# KiCad board leafony-ap03-stm32.kicad_pcb (continued)
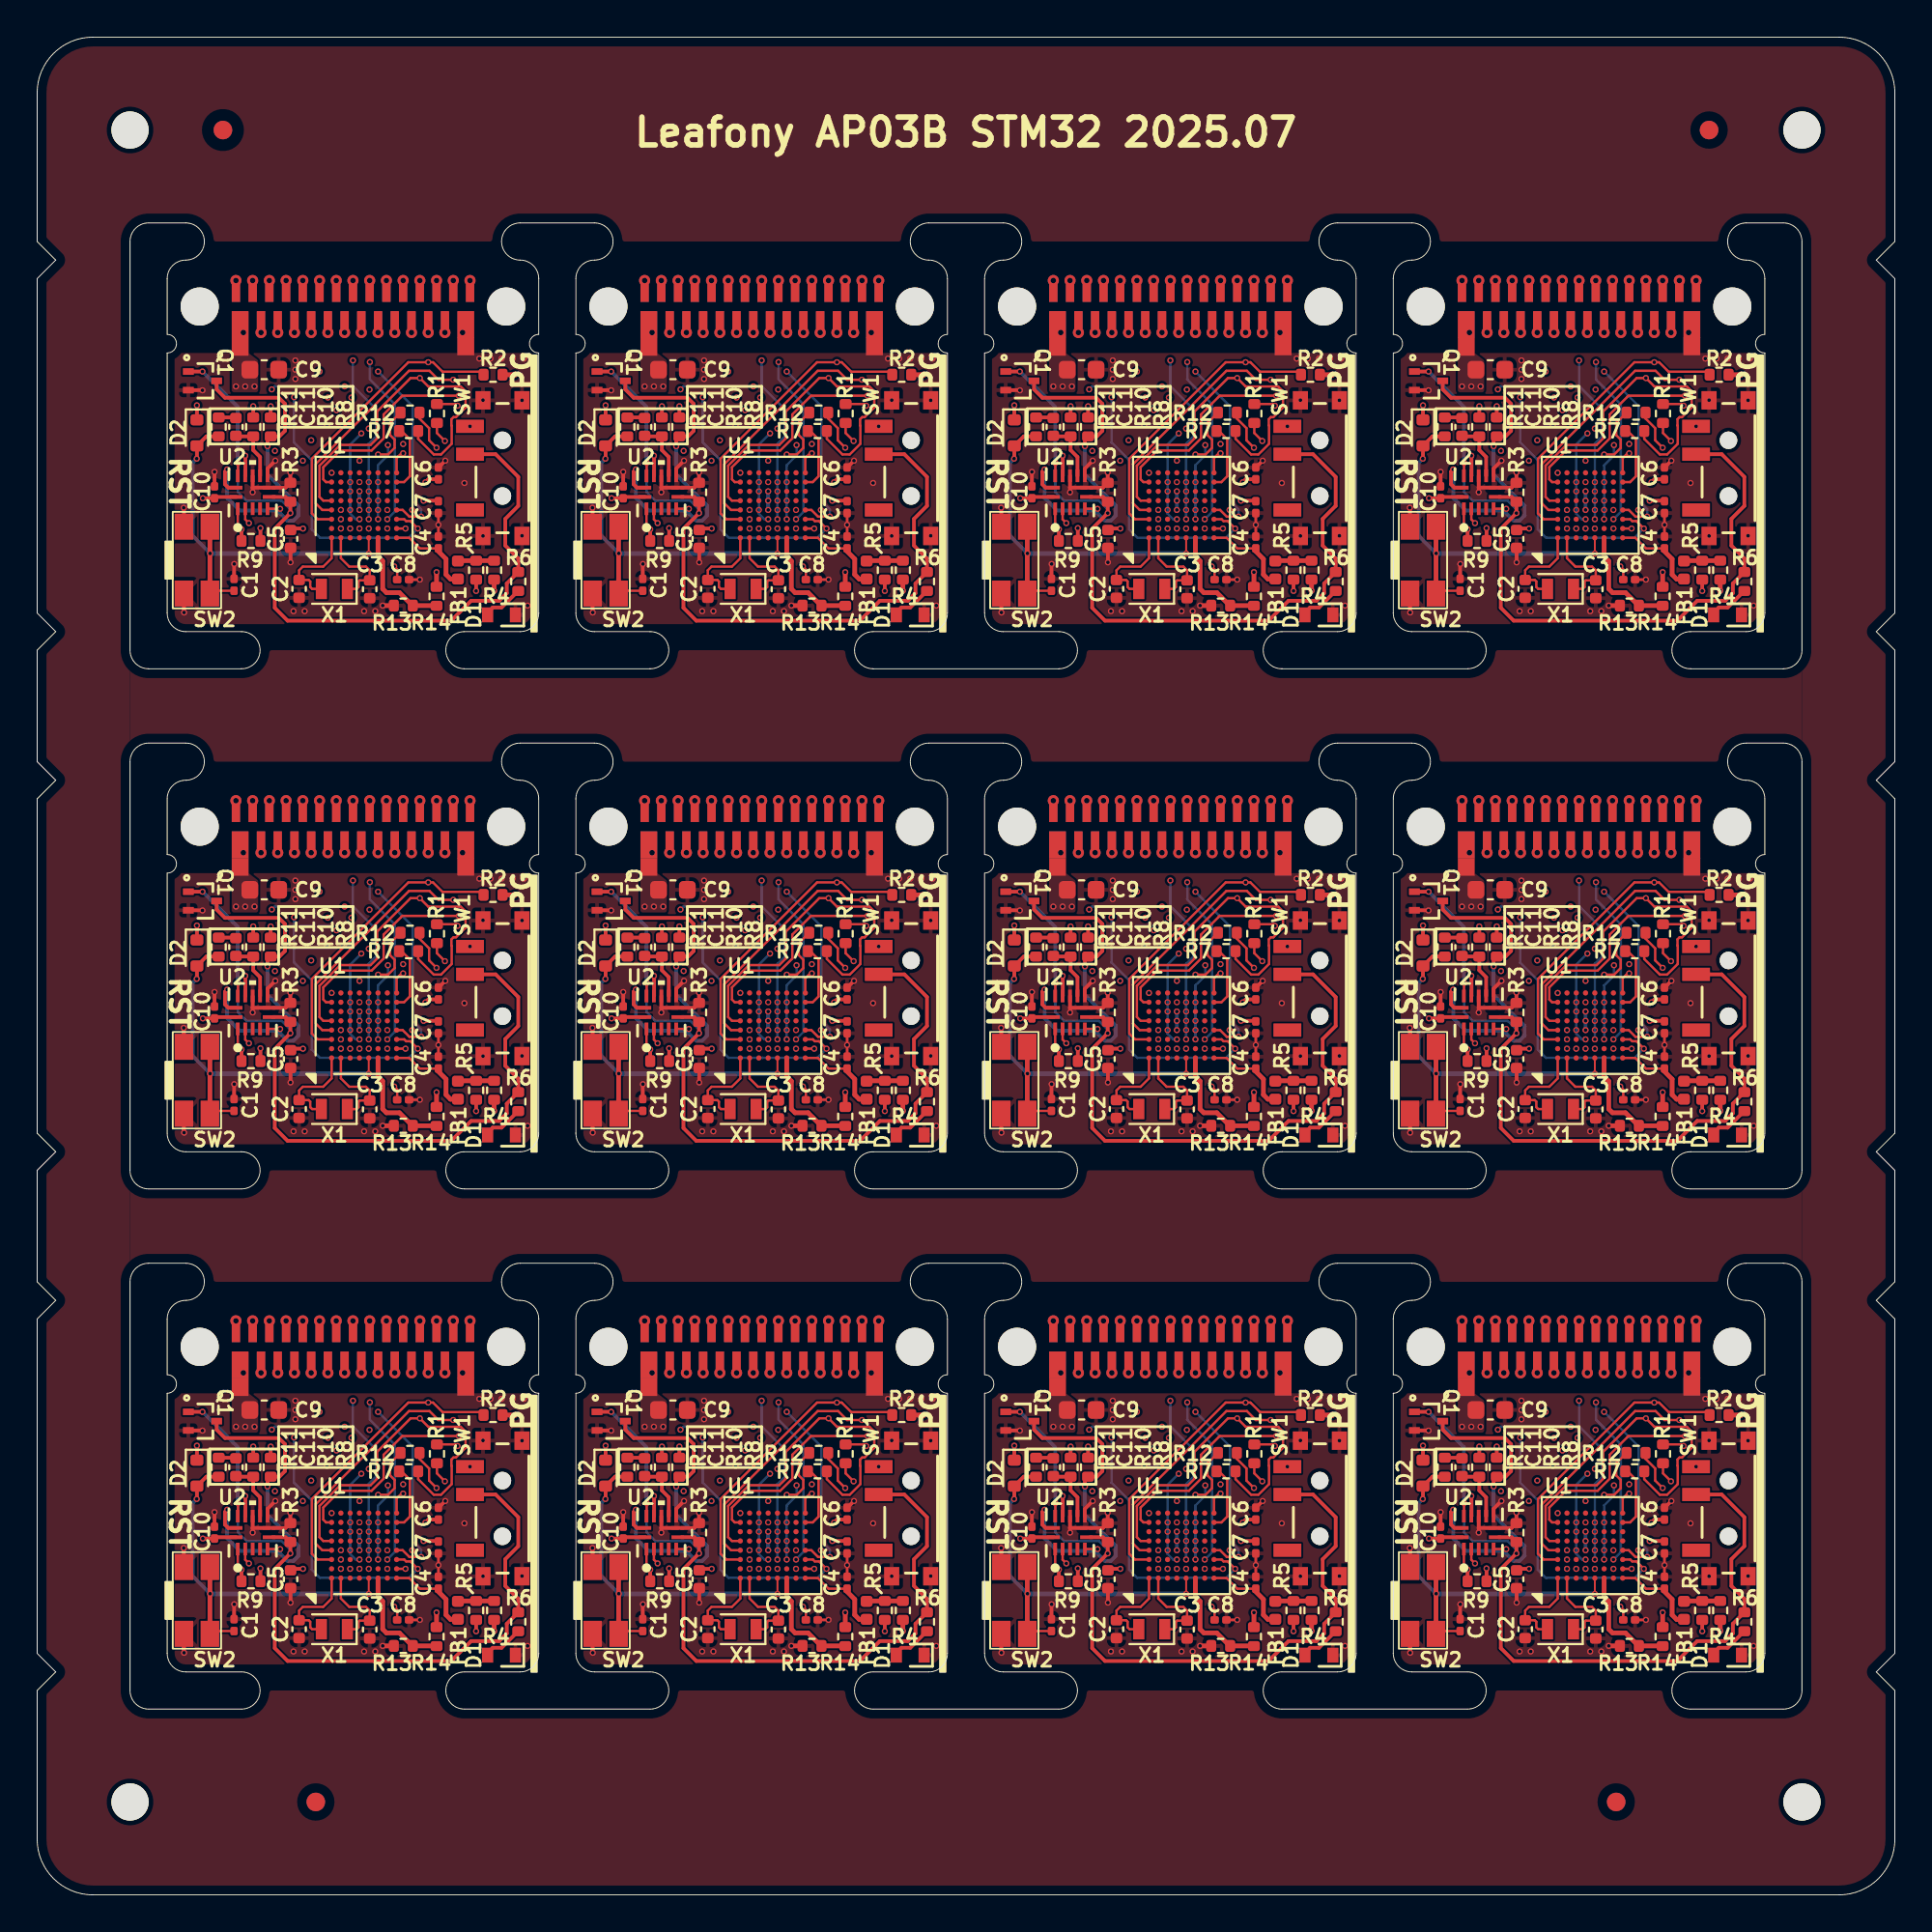
[diagram p0: board, top side]
## Routing (per net, layer and track width the routed paths; a pad name or vN(x,y) marks a point on that pad's centre or on a via; arc(x,y) is an arc through that point) (continued)
  In1.Cu w0.127: v1(89.3,86.9) 89.31,86.89 89.31,81.31 v2(88.7,80.7) ; v1(45.3,86.9) 45.31,86.89 45.31,81.31 v2(44.7,80.7) ; v2(22.7,52.7) 23.31,53.31 23.31,58.89 v1(23.3,58.9) ; v1(23.3,86.9) 23.31,86.89 23.31,81.31 v2(22.7,80.7) ; v1(89.3,58.9) 89.31,58.89 89.31,53.31 v2(88.7,52.7) ; v2(66.7,24.7) 67.31,25.31 67.31,30.89 v1(67.3,30.9) ; v2(66.7,80.7) 67.31,81.31 67.31,86.89 v1(67.3,86.9) ; v1(67.3,58.9) 67.31,58.89 67.31,53.31 v2(66.7,52.7) ; v1(89.3,30.9) 89.31,30.89 89.31,25.31 v2(88.7,24.7) ; v1(45.3,30.9) 45.31,30.89 45.31,25.31 v2(44.7,24.7) ; v2(44.7,52.7) 45.31,53.31 45.31,58.89 v1(45.3,58.9) ; v2(22.7,24.7) 23.31,25.31 23.31,30.89 v1(23.3,30.9)
SWDIO: length 165
  In1.Cu w0.127: v2(15.85,76.55) 14.44,76.55 13.26,77.73 v2(12.8,77.73) ; v2(34.8,21.73) 35.26,21.73 36.44,20.55 v2(37.85,20.55) ; v2(37.85,76.55) 36.44,76.55 35.26,77.73 v2(34.8,77.73) ; v2(34.8,49.73) 35.26,49.73 36.44,48.55 v2(37.85,48.55) ; v2(15.85,48.55) 14.44,48.55 13.26,49.73 v2(12.8,49.73) ; v2(78.8,21.73) 79.26,21.73 80.44,20.55 v2(81.85,20.55) ; v2(15.85,20.55) 14.44,20.55 13.26,21.73 v2(12.8,21.73) ; v2(56.8,77.73) 57.26,77.73 58.44,76.55 v2(59.85,76.55) ; v2(56.8,21.73) 57.26,21.73 58.44,20.55 v2(59.85,20.55) ; v2(56.8,49.73) 57.26,49.73 58.44,48.55 v2(59.85,48.55) ; v2(78.8,49.73) 79.26,49.73 80.44,48.55 v2(81.85,48.55) ; v2(81.85,76.55) 80.44,76.55 79.26,77.73 v2(78.8,77.73)
  In2.Cu w0.127: v1(32.7,30.9) 32.69,30.89 32.69,27.5 34.99,25.19 34.99,21.92 v2(34.8,21.73) ; v2(12.8,21.73) 12.99,21.92 12.99,25.19 10.69,27.5 10.69,30.89 v1(10.7,30.9) ; v2(56.8,49.73) 56.99,49.92 56.99,53.19 54.69,55.5 54.69,58.89 v1(54.7,58.9) ; v1(32.7,58.9) 32.69,58.89 32.69,55.5 34.99,53.19 34.99,49.92 v2(34.8,49.73) ; v1(10.7,86.9) 10.69,86.89 10.69,83.5 12.99,81.19 12.99,77.92 v2(12.8,77.73) ; v1(54.7,30.9) 54.69,30.89 54.69,27.5 56.99,25.19 56.99,21.92 v2(56.8,21.73) ; v1(76.7,58.9) 76.69,58.89 76.69,55.5 78.99,53.19 78.99,49.92 v2(78.8,49.73) ; v2(78.8,77.73) 78.99,77.92 78.99,81.19 76.69,83.5 76.69,86.89 v1(76.7,86.9) ; v2(34.8,77.73) 34.99,77.92 34.99,81.19 32.69,83.5 32.69,86.89 v1(32.7,86.9) ; v2(78.8,21.73) 78.99,21.92 78.99,25.19 76.69,27.5 76.69,30.89 v1(76.7,30.9) ; v2(56.8,77.73) 56.99,77.92 56.99,81.19 54.69,83.5 54.69,86.89 v1(54.7,86.9) ; v1(10.7,58.9) 10.69,58.89 10.69,55.5 12.99,53.19 12.99,49.92 v2(12.8,49.73)
Net-(C11-Pad2): length 11.3
  Top w0.2: R11#10.1 76.67,79.53 C11#4.2 ; R11#3.1 54.67,79.53 C11#6.2 ; C11#2.2 54.67,51.53 R11#4.1 ; R11#5.1 10.67,23.53 C11#3.2 ; C11#11.2 32.67,79.53 R11#7.1 ; R11.1 54.67,23.53 C11#12.2 ; C11#10.2 10.67,79.53 R11#11.1 ; C11.2 32.67,23.53 R11#6.1 ; C11#5.2 76.67,23.53 R11#9.1 ; C11#8.2 10.67,51.53 R11#2.1 ; R11#8.1 32.67,51.53 C11#9.2 ; C11#7.2 76.67,51.53 R11#12.1
Net-(D1-A): length 27.1
  Top w0.2: D1#9.2 24.25,41.02 24.52,41.3 25,41.3 25.89,42.19 R6#4.2 ; D1#8.2 46.25,69.02 46.52,69.3 47,69.3 47.89,70.19 R6#5.2 ; R6#9.2 69.89,14.19 69,13.3 68.52,13.3 68.25,13.02 D1#12.2 ; D1#6.2 46.25,41.02 46.52,41.3 47,41.3 47.89,42.19 R6#3.2 ; D1#7.2 46.25,13.02 46.52,13.3 47,13.3 47.89,14.19 R6#2.2 ; D1#10.2 90.25,69.02 90.52,69.3 91,69.3 91.89,70.19 R6#10.2 ; D1#11.2 68.25,69.02 68.52,69.3 69,69.3 69.89,70.19 R6#8.2 ; R6#12.2 91.89,14.19 91,13.3 90.52,13.3 90.25,13.02 D1#4.2 ; R6#11.2 25.89,70.19 25,69.3 24.52,69.3 24.25,69.02 D1#5.2 ; D1#2.2 68.25,41.02 68.52,41.3 69,41.3 69.89,42.19 R6.2 ; D1.2 90.25,41.02 90.52,41.3 91,41.3 91.89,42.19 R6#6.2 ; R6#7.2 25.89,14.19 25,13.3 24.52,13.3 24.25,13.02 D1#3.2
Net-(FB1-Pad2): length 23.5
  Top w0.254: R4#2.1 R5#11.1 22.67,15.82 FB1.2 ; R4#3.1 R5#7.1 88.67,71.82 FB1#7.2 ; FB1#2.2 66.67,43.82 R5#9.1 R4#5.1 ; FB1#5.2 66.67,71.82 R5.1 R4#10.1 ; R4#12.1 R5#10.1 44.67,15.82 FB1#12.2 ; R4#11.1 R5#2.1 22.67,43.82 FB1#3.2 ; R4#9.1 R5#8.1 88.67,43.82 FB1#10.2 ; R4#8.1 R5#5.1 88.67,15.82 FB1#6.2 ; R4#6.1 R5#4.1 44.67,43.82 FB1#11.2 ; FB1#9.2 22.67,71.82 R5#3.1 R4.1 ; R4#7.1 R5#6.1 66.67,15.82 FB1#8.2 ; R4#4.1 R5#12.1 44.67,71.82 FB1#4.2
Net-(U1-PB11): length 43.1
  Top w0.127: U1#2.H7 85.75,48.05 86.06,48.36 86.06,50.35 85.61,50.8 R7#7.1 ; R7.1 63.61,22.8 64.06,22.35 64.06,20.36 63.75,20.05 U1#3.H7 ; U1#10.H7 85.75,20.05 86.06,20.36 86.06,22.35 85.61,22.8 R7#11.1 ; R7#9.1 85.61,78.8 86.06,78.35 86.06,76.36 85.75,76.05 U1#12.H7 ; U1#4.H7 41.75,76.05 42.06,76.36 42.06,78.35 41.61,78.8 R7#3.1 ; U1#11.H7 19.75,20.05 20.06,20.36 20.06,22.35 19.61,22.8 R7#4.1 ; U1#7.H7 19.75,76.05 20.06,76.36 20.06,78.35 19.61,78.8 R7#10.1 ; U1.H7 41.75,20.05 42.06,20.36 42.06,22.35 41.61,22.8 R7#5.1 ; U1#6.H7 63.75,48.05 64.06,48.36 64.06,50.35 63.61,50.8 R7#2.1 ; U1#9.H7 41.75,48.05 42.06,48.36 42.06,50.35 41.61,50.8 R7#6.1 ; U1#5.H7 63.75,76.05 64.06,76.36 64.06,78.35 63.61,78.8 R7#12.1 ; U1#8.H7 19.75,48.05 20.06,48.36 20.06,50.35 19.61,50.8 R7#8.1
Net-(U1-PB15): length 57.1
  Top w0.127: v2(18.35,49.53) 18.89,49.53 19.24,49.89 19.24,50.33 19,50.58 19,51.23 R12#10.1 ; R12#11.1 19,23.23 19,22.58 19.24,22.33 19.24,21.89 18.89,21.53 v2(18.35,21.53) ; R12#4.1 85,51.23 85,50.58 85.24,50.33 85.24,49.89 84.89,49.53 v2(84.35,49.53) ; R12#9.1 19,79.23 19,78.58 19.24,78.33 19.24,77.89 18.89,77.53 v2(18.35,77.53) ; v2(84.35,77.53) 84.89,77.53 85.24,77.89 85.24,78.33 85,78.58 85,79.23 R12#12.1 ; v2(62.35,77.53) 62.89,77.53 63.24,77.89 63.24,78.33 63,78.58 63,79.23 R12#3.1 ; R12#8.1 63,23.23 63,22.58 63.24,22.33 63.24,21.89 62.89,21.53 v2(62.35,21.53) ; v2(40.35,77.53) 40.89,77.53 41.24,77.89 41.24,78.33 41,78.58 41,79.23 R12#2.1 ; v2(40.35,21.53) 40.89,21.53 41.24,21.89 41.24,22.33 41,22.58 41,23.23 R12#5.1 ; R12.1 63,51.23 63,50.58 63.24,50.33 63.24,49.89 62.89,49.53 v2(62.35,49.53) ; v2(40.35,49.53) 40.89,49.53 41.24,49.89 41.24,50.33 41,50.58 41,51.23 R12#6.1 ; v2(84.35,21.53) 84.89,21.53 85.24,21.89 85.24,22.33 85,22.58 85,23.23 R12#7.1
  In1.Cu w0.1: v3(84.35,48.05) 84.35,49.53 v2(84.35,49.53) ; v2(62.35,21.53) 62.35,21.53 v3(62.35,20.05) ; v2(62.35,77.53) 62.35,77.53 v3(62.35,76.05) ; v3(18.35,48.05) 18.35,49.53 v2(18.35,49.53) ; v2(40.35,77.53) 40.35,77.53 v3(40.35,76.05) ; v2(84.35,21.53) 84.35,21.53 v3(84.35,20.05) ; v2(84.35,77.53) 84.35,77.53 v3(84.35,76.05) ; v3(40.35,48.05) 40.35,49.53 v2(40.35,49.53) ; v3(40.35,20.05) 40.35,21.53 v2(40.35,21.53) ; v2(18.35,21.53) 18.35,21.53 v3(18.35,20.05) ; v2(18.35,77.53) 18.35,77.53 v3(18.35,76.05) ; v2(62.35,49.53) 62.35,49.53 v3(62.35,48.05)
Net-(U1-PC14): length 62.6
  Top w0.127: X1#10.2 36.8,42.3 36.7,42.4 36.7,42.7 36.62,42.78 C2#3.1 36.1,43.3 36.3,43.5 37.4,43.5 37.85,43.95 U1#9.A1 ; U1#7.A1 15.85,71.95 15.4,71.5 14.3,71.5 14.1,71.3 C2#12.1 14.62,70.78 14.7,70.7 14.7,70.4 14.8,70.3 X1#11.2 ; X1#6.2 58.8,14.3 58.7,14.4 58.7,14.7 58.62,14.78 C2#9.1 58.1,15.3 58.3,15.5 59.4,15.5 59.85,15.95 U1#3.A1 ; X1#8.2 58.8,70.3 58.7,70.4 58.7,70.7 58.62,70.78 C2#5.1 58.1,71.3 58.3,71.5 59.4,71.5 59.85,71.95 U1#5.A1 ; U1#10.A1 81.85,15.95 81.4,15.5 80.3,15.5 80.1,15.3 C2#8.1 80.62,14.78 80.7,14.7 80.7,14.4 80.8,14.3 X1#2.2 ; U1#4.A1 37.85,71.95 37.4,71.5 36.3,71.5 36.1,71.3 C2#11.1 36.62,70.78 36.7,70.7 36.7,70.4 36.8,70.3 X1#3.2 ; X1#9.2 14.8,42.3 14.7,42.4 14.7,42.7 14.62,42.78 C2#7.1 14.1,43.3 14.3,43.5 15.4,43.5 15.85,43.95 U1#8.A1 ; X1#7.2 80.8,42.3 80.7,42.4 80.7,42.7 80.62,42.78 C2#10.1 80.1,43.3 80.3,43.5 81.4,43.5 81.85,43.95 U1#2.A1 ; X1.2 36.8,14.3 36.7,14.4 36.7,14.7 36.62,14.78 C2#2.1 36.1,15.3 36.3,15.5 37.4,15.5 37.85,15.95 U1.A1 ; U1#11.A1 15.85,15.95 15.4,15.5 14.3,15.5 14.1,15.3 C2#6.1 14.62,14.78 14.7,14.7 14.7,14.4 14.8,14.3 X1#12.2 ; X1#4.2 80.8,70.3 80.7,70.4 80.7,70.7 80.62,70.78 C2.1 80.1,71.3 80.3,71.5 81.4,71.5 81.85,71.95 U1#12.A1 ; U1#6.A1 59.85,43.95 59.4,43.5 58.3,43.5 58.1,43.3 C2#4.1 58.62,42.78 58.7,42.7 58.7,42.4 58.8,42.3 X1#5.2
Net-(U1-PC15): length 60.3
  Top w0.127: X1#4.1 83.2,70.3 83.3,70.4 83.3,70.7 83.36,70.76 C3#2.1 83.9,71.3 83.7,71.5 82.8,71.5 82.35,71.95 U1#12.B1 ; X1#12.1 17.2,14.3 17.3,14.4 17.3,14.7 17.36,14.76 C3#12.1 17.9,15.3 17.7,15.5 16.8,15.5 16.35,15.95 U1#11.B1 ; X1#3.1 39.2,70.3 39.3,70.4 39.3,70.7 39.36,70.76 C3.1 39.9,71.3 39.7,71.5 38.8,71.5 38.35,71.95 U1#4.B1 ; X1#5.1 61.2,42.3 61.3,42.4 61.3,42.7 61.36,42.76 C3#4.1 61.9,43.3 61.7,43.5 60.8,43.5 60.35,43.95 U1#6.B1 ; X1#7.1 83.2,42.3 83.3,42.4 83.3,42.7 83.36,42.76 C3#8.1 83.9,43.3 83.7,43.5 82.8,43.5 82.35,43.95 U1#2.B1 ; X1#10.1 39.2,42.3 39.3,42.4 39.3,42.7 39.36,42.76 C3#6.1 39.9,43.3 39.7,43.5 38.8,43.5 38.35,43.95 U1#9.B1 ; X1#8.1 61.2,70.3 61.3,70.4 61.3,70.7 61.36,70.76 C3#9.1 61.9,71.3 61.7,71.5 60.8,71.5 60.35,71.95 U1#5.B1 ; U1#3.B1 60.35,15.95 60.8,15.5 61.7,15.5 61.9,15.3 C3#10.1 61.36,14.76 61.3,14.7 61.3,14.4 61.2,14.3 X1#6.1 ; X1#9.1 17.2,42.3 17.3,42.4 17.3,42.7 17.36,42.76 C3#7.1 17.9,43.3 17.7,43.5 16.8,43.5 16.35,43.95 U1#8.B1 ; U1.B1 38.35,15.95 38.8,15.5 39.7,15.5 39.9,15.3 C3#3.1 39.36,14.76 39.3,14.7 39.3,14.4 39.2,14.3 X1.1 ; U1#10.B1 82.35,15.95 82.8,15.5 83.7,15.5 83.9,15.3 C3#11.1 83.36,14.76 83.3,14.7 83.3,14.4 83.2,14.3 X1#2.1 ; U1#7.B1 16.35,71.95 16.8,71.5 17.7,71.5 17.9,71.3 C3#5.1 17.36,70.76 17.3,70.7 17.3,70.4 17.2,70.3 X1#11.1
Net-(U1-VDDA): length 55.7
  Top w0.127: C4#6.1 42.6,44.48 42.03,45.05 U1#9.H1 ; U1#7.H1 20.03,73.05 20.6,72.48 C4#7.1 ; U1.H1 42.03,17.05 42.6,16.48 C4#11.1 ; U1#10.H1 86.03,17.05 86.6,16.48 C4#4.1 ; U1#5.H1 64.03,73.05 64.6,72.48 C4#10.1 ; C4#9.1 86.6,44.48 86.03,45.05 U1#2.H1 ; C4#8.1 64.6,44.48 64.03,45.05 U1#6.H1 ; C4.1 64.6,16.48 64.03,17.05 U1#3.H1 ; U1#11.H1 20.03,17.05 20.6,16.48 C4#3.1 ; C4#12.1 86.6,72.48 86.03,73.05 U1#12.H1 ; U1#8.H1 20.03,45.05 20.6,44.48 C4#2.1 ; U1#4.H1 42.03,73.05 42.6,72.48 C4#5.1
  Top w0.254: FB1#2.1 66.25,42.83 66.01,43.07 66.01,43.91 65.6,44.32 ; FB1.1 22.25,14.83 22.01,15.07 22.01,15.91 21.6,16.32 ; FB1#4.1 44.25,70.83 44.01,71.07 44.01,71.91 43.6,72.32 ; FB1#12.1 44.25,14.83 44.01,15.07 44.01,15.91 43.6,16.32 ; 43.6,44.32 44.01,43.91 44.01,43.07 44.25,42.83 FB1#11.1 ; FB1#10.1 88.25,42.83 88.01,43.07 88.01,43.91 87.6,44.32 ; 65.6,72.32 66.01,71.91 66.01,71.07 66.25,70.83 FB1#5.1 ; 87.6,72.32 88.01,71.91 88.01,71.07 88.25,70.83 FB1#7.1 ; 21.6,72.32 22.01,71.91 22.01,71.07 22.25,70.83 FB1#9.1 ; FB1#8.1 66.25,14.83 66.01,15.07 66.01,15.91 65.6,16.32 ; 87.6,16.32 88.01,15.91 88.01,15.07 88.25,14.83 FB1#6.1 ; 21.6,44.32 22.01,43.91 22.01,43.07 22.25,42.83 FB1#3.1
Net-(U1-VSSA): length 73.6
  Top w0.254: U1#12.F1 84.35,72.05 84.6,71.8 84.6,70.3 84.8,70.1 85.5,70.1 86.2,69.4 R13#4.2 87.49,69.4 R14.1 ; R14#7.1 43.49,41.4 R13#10.2 42.2,41.4 41.5,42.1 40.8,42.1 40.6,42.3 40.6,43.8 40.35,44.05 U1#9.F1 ; R14#9.1 65.49,13.4 R13#5.2 64.2,13.4 63.5,14.1 62.8,14.1 62.6,14.3 62.6,15.8 62.35,16.05 U1#3.F1 ; U1#4.F1 40.35,72.05 40.6,71.8 40.6,70.3 40.8,70.1 41.5,70.1 42.2,69.4 R13#12.2 43.49,69.4 R14#3.1 ; U1.F1 40.35,16.05 40.6,15.8 40.6,14.3 40.8,14.1 41.5,14.1 42.2,13.4 R13#3.2 43.49,13.4 R14#4.1 ; U1#6.F1 62.35,44.05 62.6,43.8 62.6,42.3 62.8,42.1 63.5,42.1 64.2,41.4 R13#11.2 65.49,41.4 R14#5.1 ; R14#12.1 21.49,13.4 R13.2 20.2,13.4 19.5,14.1 18.8,14.1 18.6,14.3 18.6,15.8 18.35,16.05 U1#11.F1 ; R14#10.1 21.49,69.4 R13#2.2 20.2,69.4 19.5,70.1 18.8,70.1 18.6,70.3 18.6,71.8 18.35,72.05 U1#7.F1 ; R14#8.1 87.49,41.4 R13#8.2 86.2,41.4 85.5,42.1 84.8,42.1 84.6,42.3 84.6,43.8 84.35,44.05 U1#2.F1 ; U1#10.F1 84.35,16.05 84.6,15.8 84.6,14.3 84.8,14.1 85.5,14.1 86.2,13.4 R13#7.2 87.49,13.4 R14#6.1 ; U1#8.F1 18.35,44.05 18.6,43.8 18.6,42.3 18.8,42.1 19.5,42.1 20.2,41.4 R13#6.2 21.49,41.4 R14#11.1 ; U1#5.F1 62.35,72.05 62.6,71.8 62.6,70.3 62.8,70.1 63.5,70.1 64.2,69.4 R13#9.2 65.49,69.4 R14#2.1
Net-(U2-COM3): length 38.6
  Top w0.2: C11#9.1 32.73,50.51 R10#5.2 33.63,49.77 34,49.4 U2#6.9 ; U2#5.9 56,49.4 55.63,49.77 R10#10.2 54.73,50.51 C11#2.1 ; C11#6.1 54.73,78.51 R10#7.2 55.63,77.77 56,77.4 U2#4.9 ; C11#12.1 54.73,22.51 R10#9.2 55.63,21.77 56,21.4 U2.9 ; C11#3.1 10.73,22.51 R10#12.2 11.63,21.77 12,21.4 U2#9.9 ; C11#10.1 10.73,78.51 R10#6.2 11.63,77.77 12,77.4 U2#11.9 ; C11#4.1 76.73,78.51 R10#4.2 77.63,77.77 78,77.4 U2#10.9 ; U2#7.9 34,21.4 33.63,21.77 R10#11.2 32.73,22.51 C11.1 ; U2#8.9 78,21.4 77.63,21.77 R10#8.2 76.73,22.51 C11#5.1 ; U2#3.9 34,77.4 33.63,77.77 R10#3.2 32.73,78.51 C11#11.1 ; U2#12.9 12,49.4 11.63,49.77 R10.2 10.73,50.51 C11#8.1 ; C11#7.1 76.73,50.51 R10#2.2 77.63,49.77 78,49.4 U2#2.9
Net-(U2-IN1): length 243
  Top w0.127: U2#12.5 13.07,46.62 v2(13.08,46.61) ; U2#11.5 13.07,74.62 v2(13.08,74.61) ; U2#8.5 79.07,18.62 v2(79.08,18.61) ; U2#9.5 13.07,18.62 v2(13.08,18.61) ; U2#2.5 79.07,46.62 v2(79.08,46.61) ; v2(57.08,74.61) 57.07,74.62 U2#4.5 ; v2(79.08,74.61) 79.07,74.62 U2#10.5 ; v2(35.08,74.61) 35.07,74.62 U2#3.5 ; v2(57.08,18.61) 57.07,18.62 U2.5 ; U2#5.5 57.07,46.62 v2(57.08,46.61) ; U2#6.5 35.07,46.62 v2(35.08,46.61) ; U2#7.5 35.07,18.62 v2(35.08,18.61)
  Top w0.2: Q1#12.3 75.66,53.04 76.11,52.59 79.01,52.59 79.34,52.26 79.34,50.81 79.04,50.51 R8#4.2 78.4,50.34 v2(78.4,49.98) ; v2(10.23,20.73) 10.11,20.61 10.11,19.93 10.29,19.75 U2#9.13 ; Q1#9.3 31.66,81.04 32.11,80.59 35.01,80.59 35.34,80.26 35.34,78.81 35.04,78.51 R8#10.2 34.4,78.34 v2(34.4,77.98) ; Q1#3.3 9.66,25.04 10.11,24.59 13.01,24.59 13.34,24.26 13.34,22.81 13.04,22.51 R8#12.2 12.4,22.34 v2(12.4,21.98) ; v2(76.23,76.73) 76.11,76.61 76.11,75.93 76.29,75.75 U2#10.13 ; U2#4.13 54.29,75.75 54.11,75.93 54.11,76.61 v2(54.23,76.73) ; U2#11.13 10.29,75.75 10.11,75.93 10.11,76.61 v2(10.23,76.73) ; v2(12.4,49.98) 12.4,50.34 R8#5.2 13.04,50.51 13.34,50.81 13.34,52.26 13.01,52.59 10.11,52.59 9.66,53.04 Q1#8.3 ; v2(76.23,48.73) 76.11,48.61 76.11,47.93 76.29,47.75 U2#2.13 ; v2(32.23,20.73) 32.11,20.61 32.11,19.93 32.29,19.75 U2#7.13 ; v2(34.4,21.98) 34.4,22.34 R8#6.2 35.04,22.51 35.34,22.81 35.34,24.26 35.01,24.59 32.11,24.59 31.66,25.04 Q1#7.3 ; Q1#6.3 75.66,81.04 76.11,80.59 79.01,80.59 79.34,80.26 79.34,78.81 79.04,78.51 R8#3.2 78.4,78.34 v2(78.4,77.98) ; U2#3.13 32.29,75.75 32.11,75.93 32.11,76.61 v2(32.23,76.73) ; v2(56.4,49.98) 56.4,50.34 R8#8.2 57.04,50.51 57.34,50.81 57.34,52.26 57.01,52.59 54.11,52.59 53.66,53.04 Q1.3 ; v2(78.4,21.98) 78.4,22.34 R8#7.2 79.04,22.51 79.34,22.81 79.34,24.26 79.01,24.59 76.11,24.59 75.66,25.04 Q1#11.3 ; v2(32.23,48.73) 32.11,48.61 32.11,47.93 32.29,47.75 U2#6.13 ; v2(54.23,48.73) 54.11,48.61 54.11,47.93 54.29,47.75 U2#5.13 ; U2#12.13 10.29,47.75 10.11,47.93 10.11,48.61 v2(10.23,48.73) ; v2(56.4,77.98) 56.4,78.34 R8#11.2 57.04,78.51 57.34,78.81 57.34,80.26 57.01,80.59 54.11,80.59 53.66,81.04 Q1#2.3 ; U2.13 54.29,19.75 54.11,19.93 54.11,20.61 v2(54.23,20.73) ; Q1#4.3 9.66,81.04 10.11,80.59 13.01,80.59 13.34,80.26 13.34,78.81 13.04,78.51 R8#2.2 12.4,78.34 v2(12.4,77.98) ; Q1#10.3 31.66,53.04 32.11,52.59 35.01,52.59 35.34,52.26 35.34,50.81 35.04,50.51 R8.2 34.4,50.34 v2(34.4,49.98) ; v2(76.23,20.73) 76.11,20.61 76.11,19.93 76.29,19.75 U2#8.13 ; v2(56.4,21.98) 56.4,22.34 R8#9.2 57.04,22.51 57.34,22.81 57.34,24.26 57.01,24.59 54.11,24.59 53.66,25.04 Q1#5.3
  Bottom w0.2: v2(76.23,48.73) 76.23,47.19 76.9,46.52 78.99,46.52 v2(79.08,46.61) 79.08,46.36 79.46,45.98 79.8,45.98 80.07,46.25 80.07,46.78 78.4,48.45 v2(78.4,49.98) ; v2(10.23,48.73) 10.23,47.19 10.9,46.52 12.99,46.52 v2(13.08,46.61) 13.08,46.36 13.46,45.98 13.8,45.98 14.07,46.25 14.07,46.78 12.4,48.45 v2(12.4,49.98) ; v2(54.23,76.73) 54.23,75.19 54.9,74.52 56.99,74.52 v2(57.08,74.61) 57.08,74.36 57.46,73.98 57.8,73.98 58.07,74.25 58.07,74.78 56.4,76.45 v2(56.4,77.98) ; v2(12.4,21.98) 12.4,20.45 14.07,18.78 14.07,18.25 13.8,17.98 13.46,17.98 13.08,18.36 v2(13.08,18.61) 12.99,18.52 10.9,18.52 10.23,19.19 v2(10.23,20.73) ; v2(34.4,49.98) 34.4,48.45 36.07,46.78 36.07,46.25 35.8,45.98 35.46,45.98 35.08,46.36 v2(35.08,46.61) 34.99,46.52 32.9,46.52 32.23,47.19 v2(32.23,48.73) ; v2(54.23,48.73) 54.23,47.19 54.9,46.52 56.99,46.52 v2(57.08,46.61) 57.08,46.36 57.46,45.98 57.8,45.98 58.07,46.25 58.07,46.78 56.4,48.45 v2(56.4,49.98) ; v2(78.4,21.98) 78.4,20.45 80.07,18.78 80.07,18.25 79.8,17.98 79.46,17.98 79.08,18.36 v2(79.08,18.61) 78.99,18.52 76.9,18.52 76.23,19.19 v2(76.23,20.73) ; v2(54.23,20.73) 54.23,19.19 54.9,18.52 56.99,18.52 v2(57.08,18.61) 57.08,18.36 57.46,17.98 57.8,17.98 58.07,18.25 58.07,18.78 56.4,20.45 v2(56.4,21.98) ; v2(10.23,76.73) 10.23,75.19 10.9,74.52 12.99,74.52 v2(13.08,74.61) 13.08,74.36 13.46,73.98 13.8,73.98 14.07,74.25 14.07,74.78 12.4,76.45 v2(12.4,77.98) ; v2(34.4,77.98) 34.4,76.45 36.07,74.78 36.07,74.25 35.8,73.98 35.46,73.98 35.08,74.36 v2(35.08,74.61) 34.99,74.52 32.9,74.52 32.23,75.19 v2(32.23,76.73) ; v2(78.4,77.98) 78.4,76.45 80.07,74.78 80.07,74.25 79.8,73.98 79.46,73.98 79.08,74.36 v2(79.08,74.61) 78.99,74.52 76.9,74.52 76.23,75.19 v2(76.23,76.73) ; v2(34.4,21.98) 34.4,20.45 36.07,18.78 36.07,18.25 35.8,17.98 35.46,17.98 35.08,18.36 v2(35.08,18.61) 34.99,18.52 32.9,18.52 32.23,19.19 v2(32.23,20.73)
Net-(U2-NO4): length 78.3
  Top w0.2: R9#11.2 v2(12.02,17.57) ; v2(77.2,49.47) 77.21,49.46 77.21,48.39 U2#2.11 ; R9#7.2 v2(12.02,73.57) ; v2(33.2,21.47) 33.21,21.46 33.21,20.39 U2#7.11 ; U2#4.11 55.21,76.39 55.21,77.46 v2(55.2,77.47) ; v2(77.2,77.47) 77.21,77.46 77.21,76.39 U2#10.11 ; U2.11 55.21,20.39 55.21,21.46 v2(55.2,21.47) ; R9#12.2 v2(34.02,17.57) ; U2#11.11 11.21,76.39 11.21,77.46 v2(11.2,77.47) ; U2#9.11 11.21,20.39 11.21,21.46 v2(11.2,21.47) ; v2(55.2,49.47) 55.21,49.46 55.21,48.39 U2#5.11 ; R9#6.2 v2(78.02,17.57) ; U2#3.11 33.21,76.39 33.21,77.46 v2(33.2,77.47) ; R9#5.2 v2(56.02,73.57) ; R9#9.2 v2(12.02,45.57) ; R9#4.2 v2(78.02,45.57) ; U2#8.11 77.21,20.39 77.21,21.46 v2(77.2,21.47) ; R9#3.2 v2(78.02,73.57) ; R9#8.2 v2(56.02,17.57) ; U2#12.11 11.21,48.39 11.21,49.46 v2(11.2,49.47) ; R9#10.2 v2(34.02,73.57) ; v2(33.2,49.47) 33.21,49.46 33.21,48.39 U2#6.11 ; R9.2 v2(34.02,45.57) ; R9#2.2 v2(56.02,45.57)
  In1.Cu w0.2: v2(12.02,45.57) 12.02,46.61 12.39,46.98 12.39,48.61 11.53,49.47 v2(11.2,49.47) ; v2(34.02,45.57) 34.02,46.61 34.39,46.98 34.39,48.61 33.53,49.47 v2(33.2,49.47) ; v2(11.2,77.47) 11.53,77.47 12.39,76.61 12.39,74.98 12.02,74.61 v2(12.02,73.57) ; v2(33.2,21.47) 33.53,21.47 34.39,20.61 34.39,18.98 34.02,18.61 v2(34.02,17.57) ; v2(33.2,77.47) 33.53,77.47 34.39,76.61 34.39,74.98 34.02,74.61 v2(34.02,73.57) ; v2(78.02,73.57) 78.02,74.61 78.39,74.98 78.39,76.61 77.53,77.47 v2(77.2,77.47) ; v2(77.2,21.47) 77.53,21.47 78.39,20.61 78.39,18.98 78.02,18.61 v2(78.02,17.57) ; v2(55.2,49.47) 55.53,49.47 56.39,48.61 56.39,46.98 56.02,46.61 v2(56.02,45.57) ; v2(78.02,45.57) 78.02,46.61 78.39,46.98 78.39,48.61 77.53,49.47 v2(77.2,49.47) ; v2(12.02,17.57) 12.02,18.61 12.39,18.98 12.39,20.61 11.53,21.47 v2(11.2,21.47) ; v2(56.02,17.57) 56.02,18.61 56.39,18.98 56.39,20.61 55.53,21.47 v2(55.2,21.47) ; v2(56.02,73.57) 56.02,74.61 56.39,74.98 56.39,76.61 55.53,77.47 v2(55.2,77.47)
unconnected-(CN1-VBUS-PadB3):
  vias: v1(12.05,84.1) v1(12.05,56.1) v1(12.05,28.1) v1(34.05,84.1) v1(34.05,56.1) v1(34.05,28.1) v1(56.05,84.1) v1(56.05,56.1) v1(56.05,28.1) v1(78.05,84.1) v1(78.05,56.1) v1(78.05,28.1)

## Copper pours and planes (outline as drawn; the poured copper is in the pictures)
+3V3 on Top: 32.47,83.8 33.38,83.8 33.38,83 33.9,82.6 33.9,80.88 32.47,80.88
+3V3 on Top: 32.47,27.8 33.38,27.8 33.38,27 33.9,26.6 33.9,24.88 32.47,24.88
+3V3 on Top: 54.47,83.8 55.38,83.8 55.38,83 55.9,82.6 55.9,80.88 54.47,80.88
+3V3 on Top: 54.47,27.8 55.38,27.8 55.38,27 55.9,26.6 55.9,24.88 54.47,24.88
+3V3 on Top: 76.47,83.8 77.38,83.8 77.38,83 77.9,82.6 77.9,80.88 76.47,80.88
+3V3 on Top: 54.47,55.8 55.38,55.8 55.38,55 55.9,54.6 55.9,52.88 54.47,52.88
+3V3 on Top: 10.47,55.8 11.38,55.8 11.38,55 11.9,54.6 11.9,52.88 10.47,52.88
+3V3 on Top: 32.47,55.8 33.38,55.8 33.38,55 33.9,54.6 33.9,52.88 32.47,52.88
+3V3 on Top: 10.47,83.8 11.38,83.8 11.38,83 11.9,82.6 11.9,80.88 10.47,80.88
+3V3 on Top: 76.47,27.8 77.38,27.8 77.38,27 77.9,26.6 77.9,24.88 76.47,24.88
+3V3 on Top: 76.47,55.8 77.38,55.8 77.38,55 77.9,54.6 77.9,52.88 76.47,52.88
+3V3 on Top: 10.47,27.8 11.38,27.8 11.38,27 11.9,26.6 11.9,24.88 10.47,24.88
+3V3 on In3.Cu: 7,83 7,68 27,68 27,83
+3V3 on In3.Cu: 7,27 7,12 27,12 27,27
+3V3 on In3.Cu: 73,55 73,40 93,40 93,55
+3V3 on In3.Cu: 29,55 29,40 49,40 49,55
+3V3 on In3.Cu: 51,83 51,68 71,68 71,83
+3V3 on In3.Cu: 51,27 51,12 71,12 71,27
+3V3 on In3.Cu: 29,83 29,68 49,68 49,83
+3V3 on In3.Cu: 29,27 29,12 49,12 49,27
+3V3 on In3.Cu: 73,83 73,68 93,68 93,83
+3V3 on In3.Cu: 51,55 51,40 71,40 71,55
+3V3 on In3.Cu: 7,55 7,40 27,40 27,55
+3V3 on In3.Cu: 73,27 73,12 93,12 93,27
GND on Top, Bottom, In1.Cu, In2.Cu, In4.Cu: 51,27 51,12 71,12 71,27
GND on Top, Bottom, In1.Cu, In2.Cu, In4.Cu: 7,27 7,12 27,12 27,27
GND on Top, Bottom, In1.Cu, In2.Cu, In4.Cu: 73,27 73,12 93,12 93,27
GND on Top, Bottom, In1.Cu, In2.Cu, In4.Cu: 73,55 73,40 93,40 93,55
GND on Top, Bottom, In1.Cu, In2.Cu, In4.Cu: 29,55 29,40 49,40 49,55
GND on Top, Bottom, In1.Cu, In2.Cu, In4.Cu: 51,83 51,68 71,68 71,83
GND on Top, Bottom, In1.Cu, In2.Cu, In4.Cu: 29,83 29,68 49,68 49,83
GND on Top, Bottom, In1.Cu, In2.Cu, In4.Cu: 29,27 29,12 49,12 49,27
GND on Top, Bottom, In1.Cu, In2.Cu, In4.Cu: 7,83 7,68 27,68 27,83
GND on Top, Bottom, In1.Cu, In2.Cu, In4.Cu: 51,55 51,40 71,40 71,55
GND on Top, Bottom, In1.Cu, In2.Cu, In4.Cu: 73,83 73,68 93,68 93,83
GND on Top, Bottom, In1.Cu, In2.Cu, In4.Cu: 7,55 7,40 27,40 27,55
(no net) on Top, Bottom, In1.Cu, In2.Cu, In3.Cu, In4.Cu: 95,39 5,39 5,33 95,33
(no net) on Top, Bottom, In1.Cu, In2.Cu, In3.Cu, In4.Cu: 5,67 5,61 95,61 95,67
(no net) on Top, Bottom, In1.Cu, In2.Cu, In3.Cu, In4.Cu: 0,100 0,0 100,0 100,89 95,89 95,11 5,11 5,89 100,89 100,100

## Text on the board
B.Silkscreen: AP03B STM32 MCU | V-CUT
F.Silkscreen: PG | RST | Leafony AP03B STM32 2025.07
